# KiCad board OPS-K3572.kicad_pcb
title: OPS-K3572; date: 2025-03-12; rev: 1; company: Robotron; note: Revision 1, 12.03.2025, Stefan Berndt
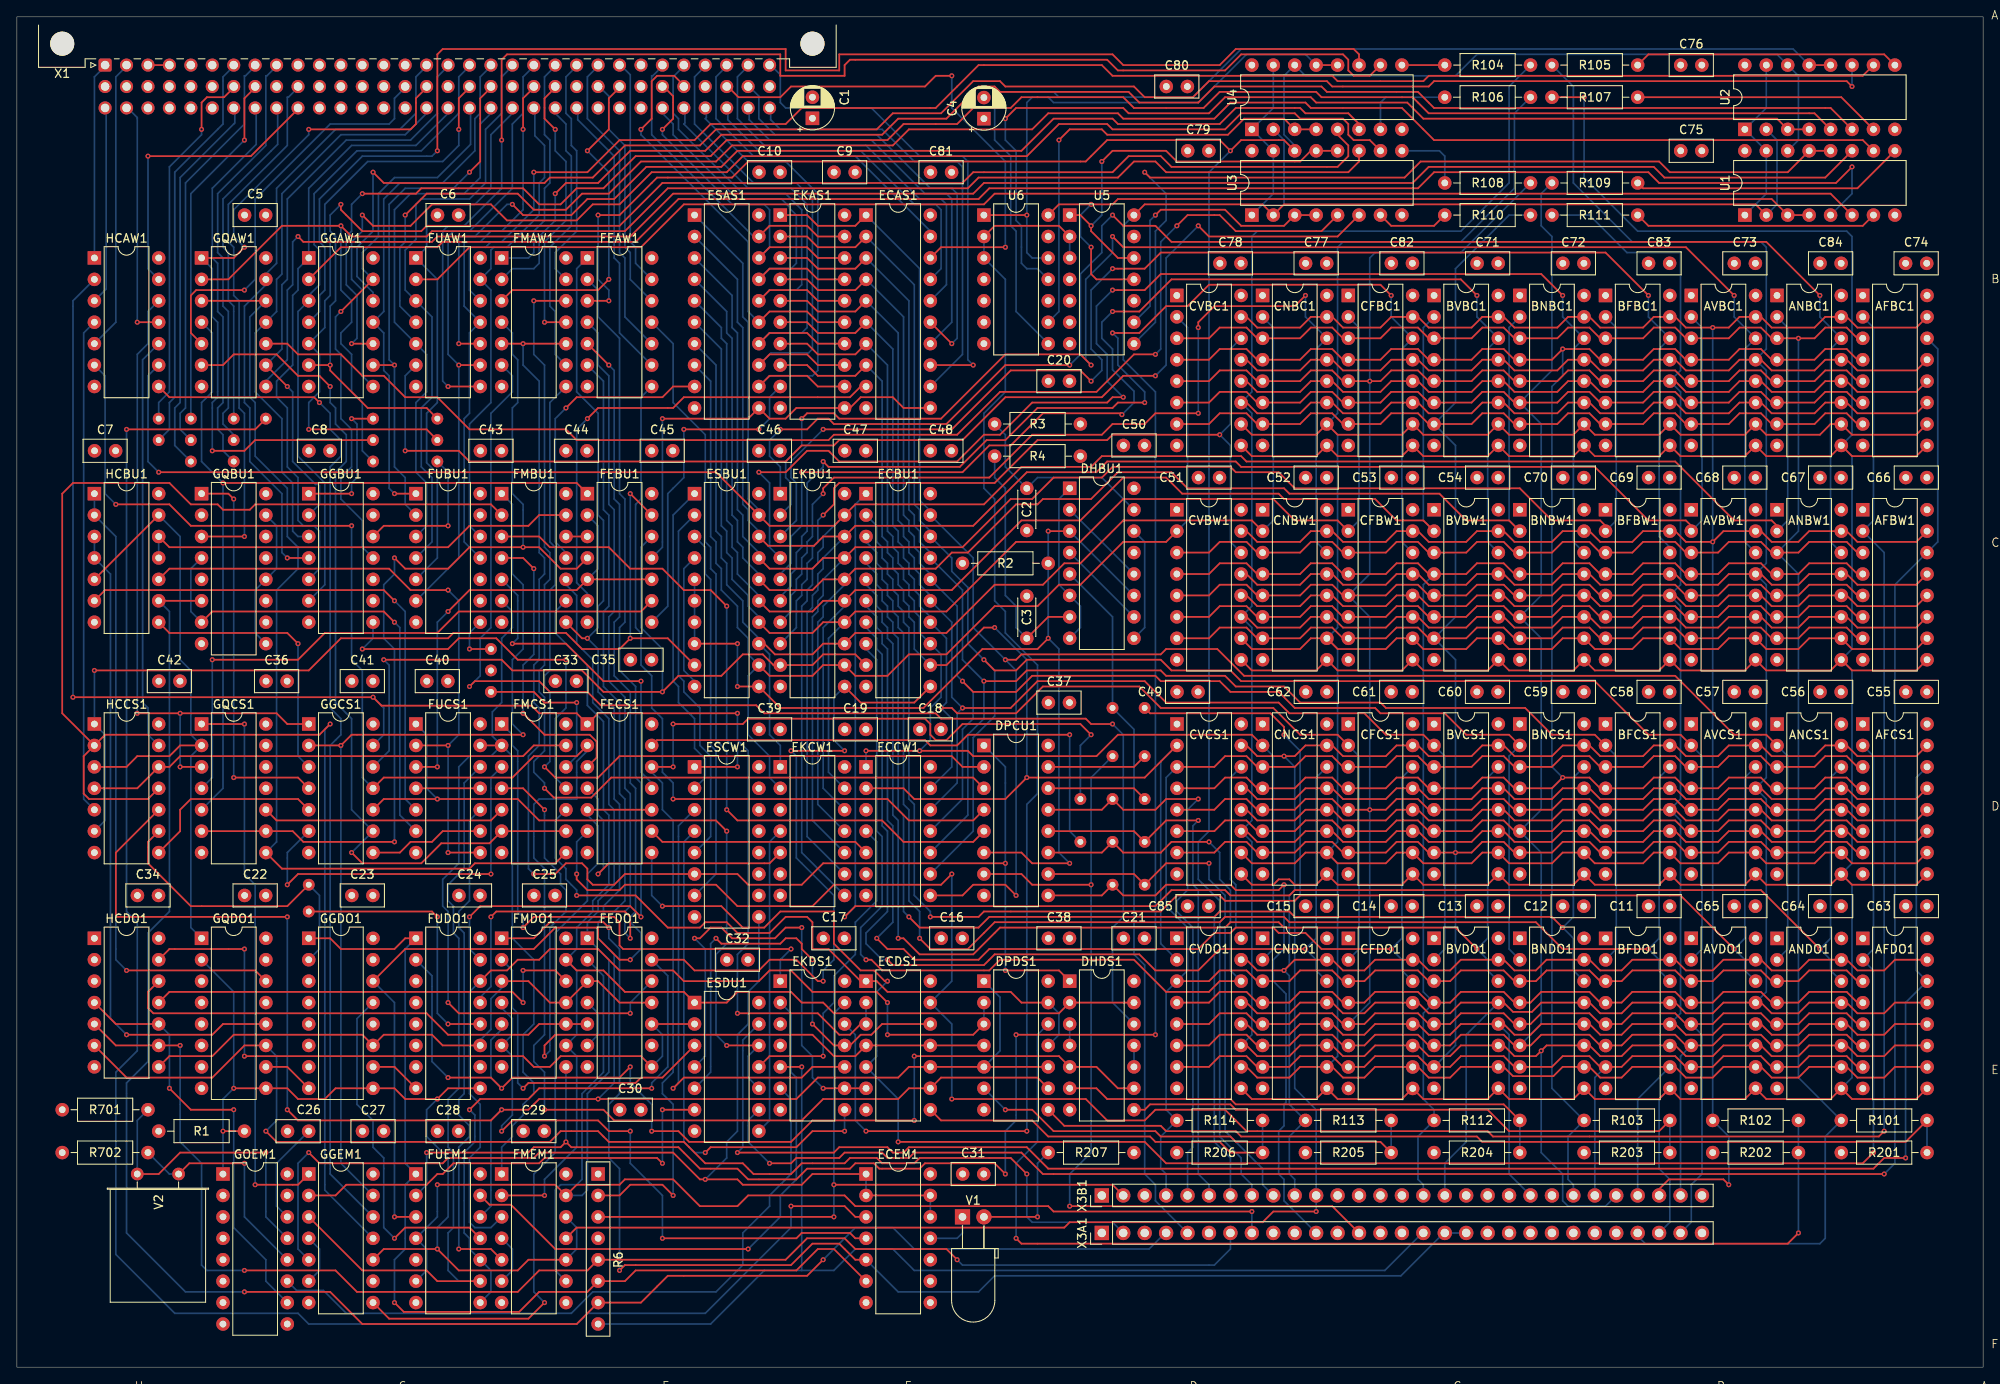
[diagram p0: board, top side]
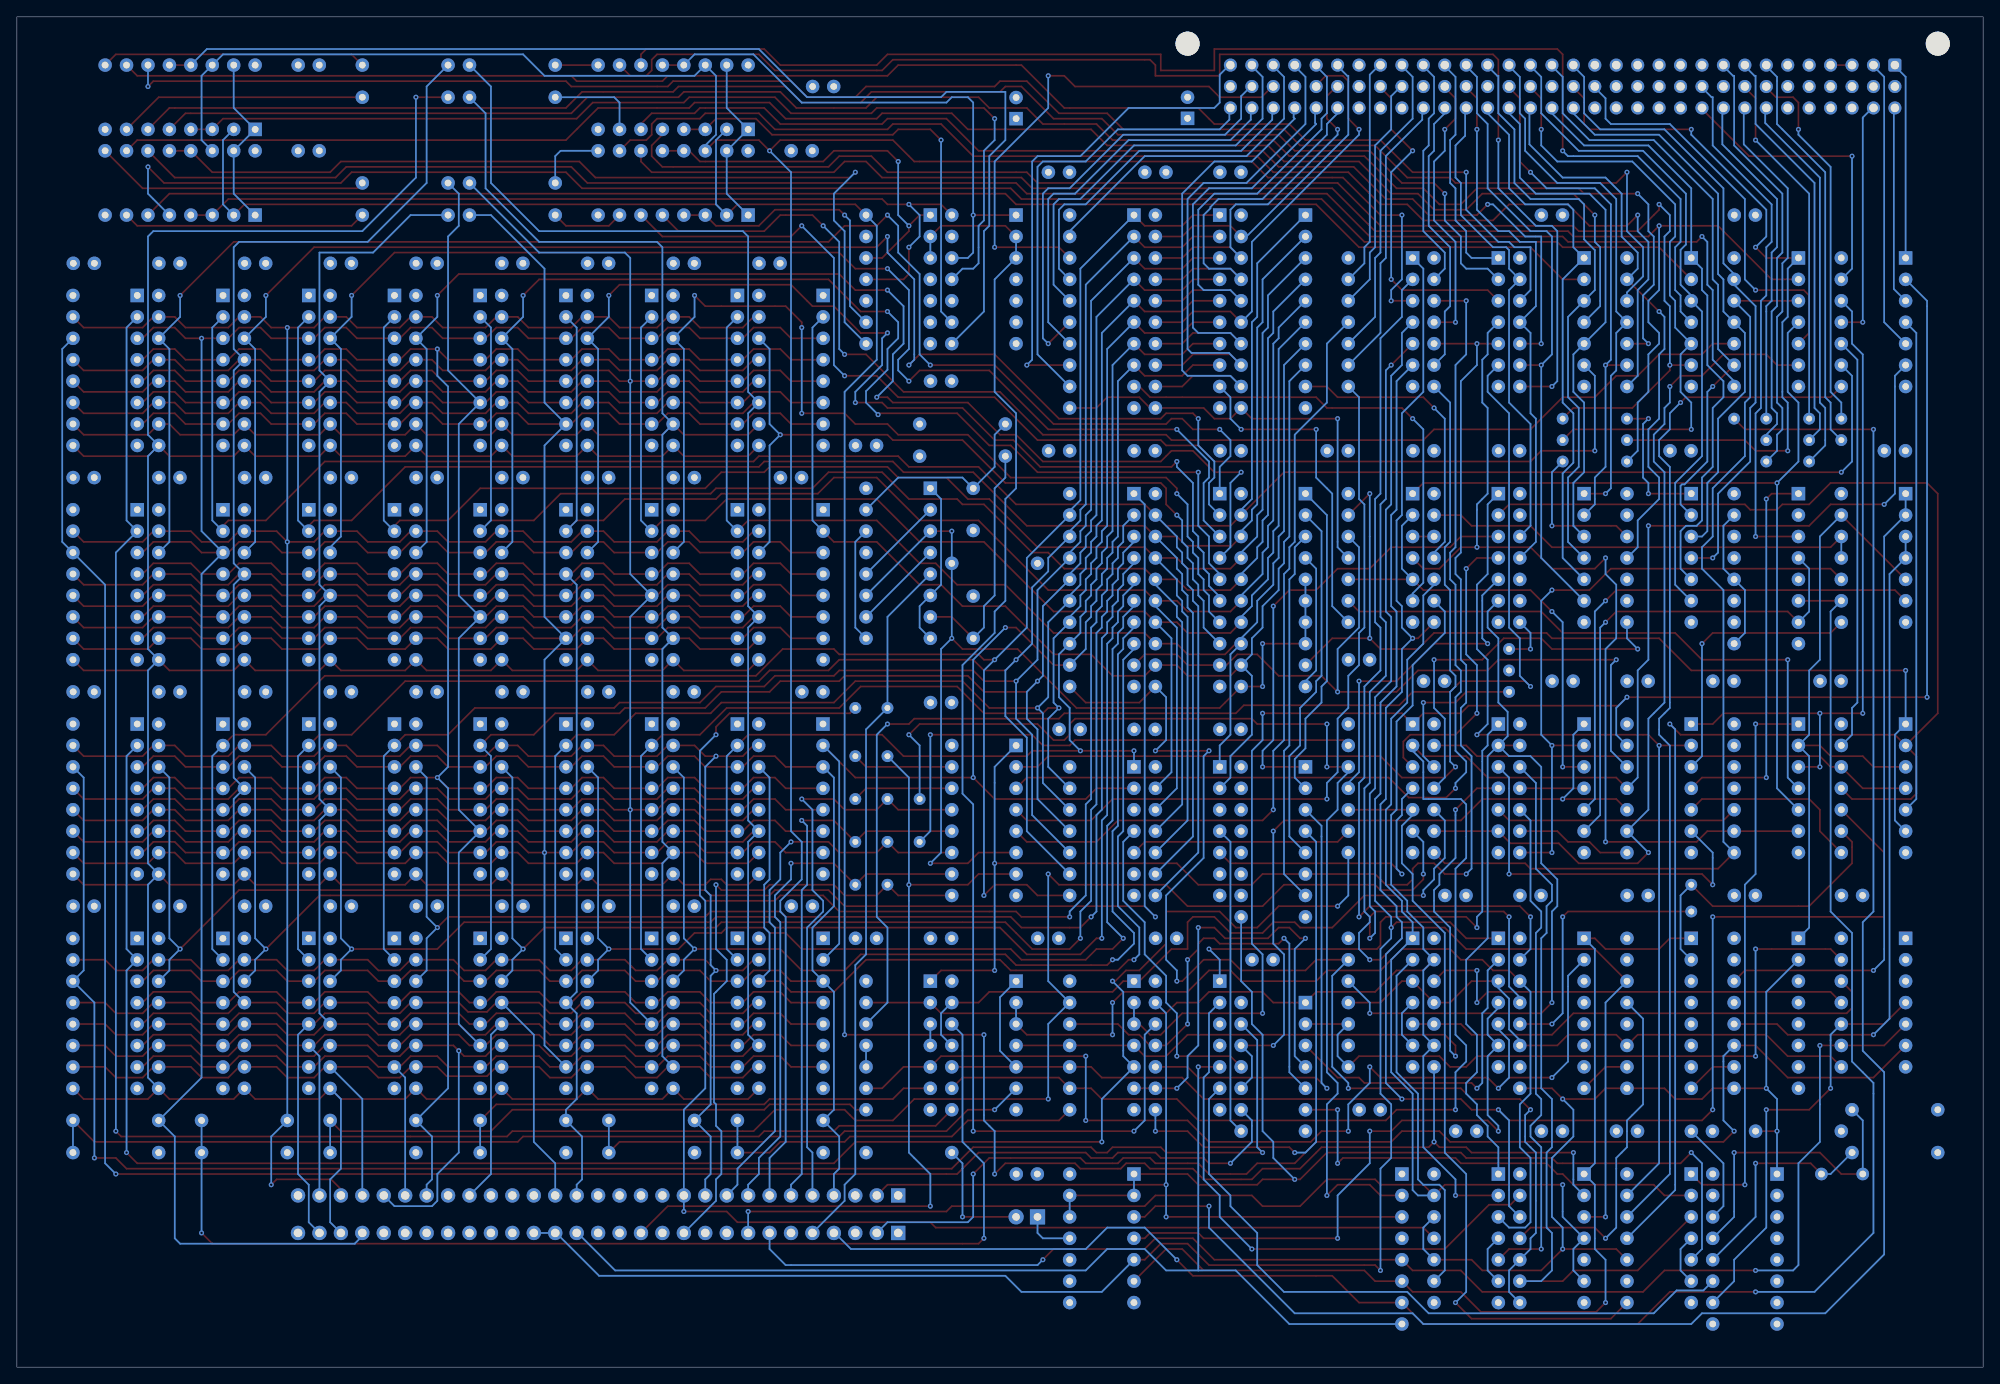
[diagram p1: board, bottom side, seen from below]

Outline 233 x 160.05 mm; copper layers: Top, In1.Cu, In2.Cu, Bottom. Coordinates in mm from the lower left corner of the outline.
Outline path: rectangle 0,160.05 233,0
Stack: Top 0.035mm / dielectric 0.1mm FR4 er 4.5 / In1.Cu 0.035mm / dielectric 1.24mm FR4 er 4.5 / In2.Cu 0.035mm / dielectric 0.1mm FR4 er 4.5 / Bottom 0.035mm

## Placement (name value [footprint] x y rotation side)
AFBC1  ~  [DIP-16_W7.62mm]  218.74 127.03 0 top
AFBW1  ~  [DIP-16_W7.62mm]  218.74 101.63 0 top
AFCS1  ~  [DIP-16_W7.62mm]  218.74 76.23 0 top
AFDO1  ~  [DIP-16_W7.62mm]  218.75 50.82 0 top
ANBC1  ~  [DIP-16_W7.62mm]  208.57 127.03 0 top
ANBW1  ~  [DIP-16_W7.62mm]  208.57 101.63 0 top
ANCS1  ~  [DIP-16_W7.62mm]  208.58 76.22 0 top
ANDO1  ~  [DIP-16_W7.62mm]  208.58 50.82 0 top
AVBC1  ~  [DIP-16_W7.62mm]  198.42 127.03 0 top
AVBW1  ~  [DIP-16_W7.62mm]  198.42 101.63 0 top
AVCS1  ~  [DIP-16_W7.62mm]  198.42 76.23 0 top
AVDO1  ~  [DIP-16_W7.62mm]  198.42 50.83 0 top
BFBC1  ~  [DIP-16_W7.62mm]  188.25 127.03 0 top
BFBW1  ~  [DIP-16_W7.62mm]  188.25 101.63 0 top
BFCS1  ~  [DIP-16_W7.62mm]  188.25 76.23 0 top
BFDO1  ~  [DIP-16_W7.62mm]  188.26 50.82 0 top
BNBC1  ~  [DIP-16_W7.62mm]  178.1 127.03 0 top
BNBW1  ~  [DIP-16_W7.62mm]  178.1 101.63 0 top
BNCS1  ~  [DIP-16_W7.62mm]  178.1 76.23 0 top
BNDO1  ~  [DIP-16_W7.62mm]  178.1 50.83 0 top
BVBC1  ~  [DIP-16_W7.62mm]  167.94 127.03 0 top
BVBW1  ~  [DIP-16_W7.62mm]  167.94 101.63 0 top
BVCS1  ~  [DIP-16_W7.62mm]  167.94 76.23 0 top
BVDO1  ~  [DIP-16_W7.62mm]  167.94 50.83 0 top
C1  C_Polarized  [CP_Radial_D5.0mm_P2.50mm]  94.28 148.03 90 top
C2  1n  [C_Disc_D4.3mm_W1.9mm_P5.00mm]  119.67 104.17 270 top
C3  47p  [C_Disc_D4.3mm_W1.9mm_P5.00mm]  119.67 86.39 90 top
C4  C_Polarized  [CP_Radial_D5.0mm_P2.50mm]  114.6 147.99 90 top
C5  100n  [C_Disc_D5.0mm_W2.5mm_P2.50mm]  26.98 136.56 0 top
C6  100n  [C_Disc_D5.0mm_W2.5mm_P2.50mm]  49.84 136.56 0 top
C7  100n  [C_Disc_D5.0mm_W2.5mm_P2.50mm]  9.2 108.62 0 top
C8  100n  [C_Disc_D5.0mm_W2.5mm_P2.50mm]  34.61 108.62 0 top
C9  100n  [C_Disc_D5.0mm_W2.5mm_P2.50mm]  96.83 141.64 0 top
C10  100n  [C_Disc_D5.0mm_W2.5mm_P2.50mm]  87.95 141.64 0 top
C11  100n  [C_Disc_D5.0mm_W2.5mm_P2.50mm]  193.36 54.64 0 top
C12  100n  [C_Disc_D5.0mm_W2.5mm_P2.50mm]  183.18 54.64 0 top
C13  100n  [C_Disc_D5.0mm_W2.5mm_P2.50mm]  173.01 54.64 0 top
C14  100n  [C_Disc_D5.0mm_W2.5mm_P2.50mm]  162.86 54.64 0 top
C15  100n  [C_Disc_D5.0mm_W2.5mm_P2.50mm]  152.71 54.64 0 top
C16  100n  [C_Disc_D5.0mm_W2.5mm_P2.50mm]  109.54 50.83 0 top
C17  100n  [C_Disc_D5.0mm_W2.5mm_P2.50mm]  95.56 50.83 0 top
C18  100n  [C_Disc_D5.0mm_W2.5mm_P2.50mm]  106.99 75.6 0 top
C19  100n  [C_Disc_D5.0mm_W2.5mm_P2.50mm]  98.11 75.6 0 top
C20  100n  [C_Disc_D5.0mm_W2.5mm_P2.50mm]  122.23 116.87 0 top
C21  100n  [C_Disc_D5.0mm_W2.5mm_P2.50mm]  131.12 50.83 0 top
C22  100n  [C_Disc_D5.0mm_W2.5mm_P2.50mm]  26.98 55.91 0 top
C23  100n  [C_Disc_D5.0mm_W2.5mm_P2.50mm]  39.69 55.91 0 top
C24  100n  [C_Disc_D5.0mm_W2.5mm_P2.50mm]  52.39 55.91 0 top
C25  100n  [C_Disc_D5.0mm_W2.5mm_P2.50mm]  61.28 55.91 0 top
C26  100n  [C_Disc_D5.0mm_W2.5mm_P2.50mm]  34.58 27.96 180 top
C27  100n  [C_Disc_D5.0mm_W2.5mm_P2.50mm]  40.95 27.97 0 top
C28  100n  [C_Disc_D5.0mm_W2.5mm_P2.50mm]  49.84 27.97 0 top
C29  100n  [C_Disc_D5.0mm_W2.5mm_P2.50mm]  60 27.97 0 top
C30  100n  [C_Disc_D5.0mm_W2.5mm_P2.50mm]  71.44 30.51 0 top
C31  100n  [C_Disc_D5.0mm_W2.5mm_P2.50mm]  112.08 22.89 0 top
C32  100n  [C_Disc_D5.0mm_W2.5mm_P2.50mm]  84.14 48.29 0 top
C33  100n  [C_Disc_D5.0mm_W2.5mm_P2.50mm]  63.81 81.31 0 top
C34  100n  [C_Disc_D5.0mm_W2.5mm_P2.50mm]  14.29 55.91 0 top
C35  100n  [C_Disc_D5.0mm_W2.5mm_P2.50mm]  72.7 83.85 0 top
C36  100n  [C_Disc_D5.0mm_W2.5mm_P2.50mm]  29.52 81.31 0 top
C37  100n  [C_Disc_D5.0mm_W2.5mm_P2.50mm]  122.23 78.77 0 top
C38  100n  [C_Disc_D5.0mm_W2.5mm_P2.50mm]  122.23 50.83 0 top
C39  100n  [C_Disc_D5.0mm_W2.5mm_P2.50mm]  87.95 75.6 0 top
C40  100n  [C_Disc_D5.0mm_W2.5mm_P2.50mm]  48.58 81.31 0 top
C41  100n  [C_Disc_D5.0mm_W2.5mm_P2.50mm]  39.69 81.31 0 top
C42  100n  [C_Disc_D5.0mm_W2.5mm_P2.50mm]  16.83 81.31 0 top
C43  100n  [C_Disc_D5.0mm_W2.5mm_P2.50mm]  54.92 108.62 0 top
C44  100n  [C_Disc_D5.0mm_W2.5mm_P2.50mm]  65.06 108.62 0 top
C45  100n  [C_Disc_D5.0mm_W2.5mm_P2.50mm]  75.23 108.62 0 top
C46  100n  [C_Disc_D5.0mm_W2.5mm_P2.50mm]  87.92 108.62 0 top
C47  100n  [C_Disc_D5.0mm_W2.5mm_P2.50mm]  98.11 108.62 0 top
C48  100n  [C_Disc_D5.0mm_W2.5mm_P2.50mm]  108.24 108.62 0 top
C49  100n  [C_Disc_D5.0mm_W2.5mm_P2.50mm]  137.48 80.04 0 top
C50  100n  [C_Disc_D5.0mm_W2.5mm_P2.50mm]  131.12 109.25 0 top
C51  100n  [C_Disc_D5.0mm_W2.5mm_P2.50mm]  140.01 105.44 0 top
C52  100n  [C_Disc_D5.0mm_W2.5mm_P2.50mm]  152.71 105.44 0 top
C53  100n  [C_Disc_D5.0mm_W2.5mm_P2.50mm]  162.88 105.44 0 top
C54  100n  [C_Disc_D5.0mm_W2.5mm_P2.50mm]  173.04 105.44 0 top
C55  100n  [C_Disc_D5.0mm_W2.5mm_P2.50mm]  223.83 80.04 0 top
C56  100n  [C_Disc_D5.0mm_W2.5mm_P2.50mm]  213.68 80.04 0 top
C57  100n  [C_Disc_D5.0mm_W2.5mm_P2.50mm]  203.51 80.04 0 top
C58  100n  [C_Disc_D5.0mm_W2.5mm_P2.50mm]  193.36 80.04 0 top
C59  100n  [C_Disc_D5.0mm_W2.5mm_P2.50mm]  183.19 80.04 0 top
C60  100n  [C_Disc_D5.0mm_W2.5mm_P2.50mm]  173.01 80.04 0 top
C61  100n  [C_Disc_D5.0mm_W2.5mm_P2.50mm]  162.86 80.04 0 top
C62  100n  [C_Disc_D5.0mm_W2.5mm_P2.50mm]  152.74 80.04 0 top
C63  100n  [C_Disc_D5.0mm_W2.5mm_P2.50mm]  223.83 54.64 0 top
C64  100n  [C_Disc_D5.0mm_W2.5mm_P2.50mm]  213.68 54.64 0 top
C65  100n  [C_Disc_D5.0mm_W2.5mm_P2.50mm]  203.51 54.64 0 top
C66  100n  [C_Disc_D5.0mm_W2.5mm_P2.50mm]  223.83 105.44 0 top
C67  100n  [C_Disc_D5.0mm_W2.5mm_P2.50mm]  213.68 105.44 0 top
C68  100n  [C_Disc_D5.0mm_W2.5mm_P2.50mm]  203.51 105.44 0 top
C69  100n  [C_Disc_D5.0mm_W2.5mm_P2.50mm]  193.36 105.44 0 top
C70  100n  [C_Disc_D5.0mm_W2.5mm_P2.50mm]  183.19 105.44 0 top
C71  100n  [C_Disc_D5.0mm_W2.5mm_P2.50mm]  173.04 130.84 0 top
C72  100n  [C_Disc_D5.0mm_W2.5mm_P2.50mm]  183.19 130.84 0 top
C73  100n  [C_Disc_D5.0mm_W2.5mm_P2.50mm]  203.51 130.84 0 top
C74  100n  [C_Disc_D5.0mm_W2.5mm_P2.50mm]  223.81 130.84 0 top
C75  100n  [C_Disc_D5.0mm_W2.5mm_P2.50mm]  197.17 144.18 0 top
C76  100n  [C_Disc_D5.0mm_W2.5mm_P2.50mm]  197.17 154.34 0 top
C77  100n  [C_Disc_D5.0mm_W2.5mm_P2.50mm]  152.71 130.84 0 top
C78  100n  [C_Disc_D5.0mm_W2.5mm_P2.50mm]  142.56 130.84 0 top
C79  100n  [C_Disc_D5.0mm_W2.5mm_P2.50mm]  138.75 144.18 0 top
C80  100n  [C_Disc_D5.0mm_W2.5mm_P2.50mm]  136.2 151.8 0 top
C81  100n  [C_Disc_D5.0mm_W2.5mm_P2.50mm]  108.27 141.64 0 top
C82  100n  [C_Disc_D5.0mm_W2.5mm_P2.50mm]  162.88 130.84 0 top
C83  100n  [C_Disc_D5.0mm_W2.5mm_P2.50mm]  193.36 130.84 0 top
C84  100n  [C_Disc_D5.0mm_W2.5mm_P2.50mm]  213.68 130.84 0 top
C85  100n  [C_Disc_D5.0mm_W2.5mm_P2.50mm]  138.73 54.64 0 top
CFBC1  ~  [DIP-16_W7.62mm]  157.77 127.03 0 top
CFBW1  ~  [DIP-16_W7.62mm]  157.77 101.63 0 top
CFCS1  ~  [DIP-16_W7.62mm]  157.77 76.23 0 top
CFDO1  ~  [DIP-16_W7.62mm]  157.79 50.82 0 top
CNBC1  ~  [DIP-16_W7.62mm]  147.62 127.03 0 top
CNBW1  ~  [DIP-16_W7.62mm]  147.62 101.63 0 top
CNCS1  ~  [DIP-16_W7.62mm]  147.62 76.23 0 top
CNDO1  ~  [DIP-16_W7.62mm]  147.62 50.83 0 top
CVBC1  ~  [DIP-16_W7.62mm]  137.45 127.03 0 top
CVBW1  ~  [DIP-16_W7.62mm]  137.45 101.63 0 top
CVCS1  ~  [DIP-16_W7.62mm]  137.48 76.23 0 top
CVDO1  ~  [DIP-16_W7.62mm]  137.45 50.83 0 top
DHBU1  74123  [DIP-16_W7.62mm]  124.76 104.17 0 top
DHDS1  7400  [DIP-14_W7.62mm]  124.76 45.75 0 top
DPCU1  ~  [DIP-16_W7.62mm]  114.6 73.69 0 top
DPDS1  7410  [DIP-14_W7.62mm]  114.6 45.75 0 top
ECAS1  ~  [DIP-20_W7.62mm]  100.63 136.56 0 top
ECBU1  ~  [DIP-20_W7.62mm]  100.63 103.54 0 top
ECCW1  ~  [DIP-14_W7.62mm]  100.63 71.15 0 top
ECDS1  7410  [DIP-14_W7.62mm]  100.63 45.75 0 top
ECEM1  7438  [DIP-14_W7.62mm]  100.63 22.89 0 top
EKAS1  ~  [DIP-20_W7.62mm]  90.47 136.56 0 top
EKBU1  ~  [DIP-20_W7.62mm]  90.47 103.54 0 top
EKCW1  ~  [DIP-14_W7.62mm]  90.47 71.15 0 top
EKDS1  7404  [DIP-14_W7.62mm]  90.47 45.75 0 top
ESAS1  ~  [DIP-20_W7.62mm]  80.31 136.56 0 top
ESBU1  ~  [DIP-20_W7.62mm]  80.31 103.54 0 top
ESCW1  ~  [DIP-16_W7.62mm]  80.31 71.15 0 top
ESDU1  7400  [DIP-14_W7.62mm]  80.31 43.21 0 top
FEAW1  7400  [DIP-14_W7.62mm]  67.61 131.48 0 top
FEBU1  7400  [DIP-14_W7.62mm]  67.61 103.54 0 top
FECS1  7486  [DIP-14_W7.62mm]  67.61 76.23 0 top
FEDO1  7474  [DIP-14_W7.62mm]  67.61 50.83 0 top
FMAW1  7404  [DIP-14_W7.62mm]  57.45 131.48 0 top
FMBU1  7408  [DIP-14_W7.62mm]  57.45 103.54 0 top
FMCS1  7402  [DIP-14_W7.62mm]  57.45 76.23 0 top
FMDO1  7474  [DIP-14_W7.62mm]  57.45 50.83 0 top
FMEM1  7474  [DIP-14_W7.62mm]  57.45 22.89 0 top
FUAW1  7404  [DIP-14_W7.62mm]  47.28 131.48 0 top
FUBU1  7430  [DIP-14_W7.62mm]  47.28 103.54 0 top
FUCS1  7400  [DIP-14_W7.62mm]  47.28 76.23 0 top
FUDO1  ~  [DIP-16_W7.62mm]  47.28 50.83 0 top
FUEM1  7474  [DIP-14_W7.62mm]  47.28 22.89 0 top
GGAW1  7404  [DIP-14_W7.62mm]  34.59 131.48 0 top
GGBU1  7430  [DIP-14_W7.62mm]  34.59 103.54 0 top
GGCS1  7404  [DIP-14_W7.62mm]  34.59 76.23 0 top
GGDO1  ~  [DIP-16_W7.62mm]  34.59 50.83 0 top
GGEM1  7474  [DIP-14_W7.62mm]  34.59 22.89 0 top
GOEM1  74124  [DIP-16_W7.62mm]  24.43 22.89 0 top
GQAW1  7404  [DIP-14_W7.62mm]  21.89 131.48 0 top
GQBU1  ~  [DIP-16_W7.62mm]  21.89 103.54 0 top
GQCS1  7402  [DIP-14_W7.62mm]  21.89 76.23 0 top
GQDO1  ~  [DIP-16_W7.62mm]  21.89 50.83 0 top
HCAW1  7404  [DIP-14_W7.62mm]  9.19 131.48 0 top
HCBU1  7410  [DIP-14_W7.62mm]  9.19 103.54 0 top
HCCS1  7400  [DIP-14_W7.62mm]  9.19 76.23 0 top
HCDO1  7400  [DIP-14_W7.62mm]  9.19 50.83 0 top
R1  1k3  [R_Axial_DIN0207_L6.3mm_D2.5mm_P10.16mm_Horizontal]  26.97 27.97 180 top
R2  1k3  [R_Axial_DIN0207_L6.3mm_D2.5mm_P10.16mm_Horizontal]  122.21 95.28 180 top
R3  15k  [R_Axial_DIN0207_L6.3mm_D2.5mm_P10.16mm_Horizontal]  126.02 111.79 180 top
R4  5k1  [R_Axial_DIN0207_L6.3mm_D2.5mm_P10.16mm_Horizontal]  126.02 107.98 180 top
R6  2k4  [R_Array_SIP8]  68.88 22.89 270 top
R101  20  [R_Axial_DIN0207_L6.3mm_D2.5mm_P10.16mm_Horizontal]  226.36 29.24 180 top
R102  20  [R_Axial_DIN0207_L6.3mm_D2.5mm_P10.16mm_Horizontal]  211.12 29.24 180 top
R103  20  [R_Axial_DIN0207_L6.3mm_D2.5mm_P10.16mm_Horizontal]  195.88 29.24 180 top
R104  20  [R_Axial_DIN0207_L6.3mm_D2.5mm_P10.16mm_Horizontal]  169.2 154.34 0 top
R105  20  [R_Axial_DIN0207_L6.3mm_D2.5mm_P10.16mm_Horizontal]  192.06 154.34 180 top
R106  20  [R_Axial_DIN0207_L6.3mm_D2.5mm_P10.16mm_Horizontal]  169.2 150.53 0 top
R107  20  [R_Axial_DIN0207_L6.3mm_D2.5mm_P10.16mm_Horizontal]  192.06 150.53 180 top
R108  20  [R_Axial_DIN0207_L6.3mm_D2.5mm_P10.16mm_Horizontal]  169.2 140.37 0 top
R109  20  [R_Axial_DIN0207_L6.3mm_D2.5mm_P10.16mm_Horizontal]  192.06 140.37 180 top
R110  20  [R_Axial_DIN0207_L6.3mm_D2.5mm_P10.16mm_Horizontal]  169.2 136.56 0 top
R111  20  [R_Axial_DIN0207_L6.3mm_D2.5mm_P10.16mm_Horizontal]  192.06 136.56 180 top
R112  20  [R_Axial_DIN0207_L6.3mm_D2.5mm_P10.16mm_Horizontal]  178.1 29.24 180 top
R113  20  [R_Axial_DIN0207_L6.3mm_D2.5mm_P10.16mm_Horizontal]  162.86 29.24 180 top
R114  20  [R_Axial_DIN0207_L6.3mm_D2.5mm_P10.16mm_Horizontal]  147.62 29.24 180 top
R201  316  [R_Axial_DIN0207_L6.3mm_D2.5mm_P10.16mm_Horizontal]  226.36 25.43 180 top
R202  316  [R_Axial_DIN0207_L6.3mm_D2.5mm_P10.16mm_Horizontal]  211.12 25.43 180 top
R203  316  [R_Axial_DIN0207_L6.3mm_D2.5mm_P10.16mm_Horizontal]  195.88 25.43 180 top
R204  316  [R_Axial_DIN0207_L6.3mm_D2.5mm_P10.16mm_Horizontal]  178.1 25.43 180 top
R205  316  [R_Axial_DIN0207_L6.3mm_D2.5mm_P10.16mm_Horizontal]  162.86 25.43 180 top
R206  316  [R_Axial_DIN0207_L6.3mm_D2.5mm_P10.16mm_Horizontal]  147.62 25.43 180 top
R207  316  [R_Axial_DIN0207_L6.3mm_D2.5mm_P10.16mm_Horizontal]  122.21 25.43 0 top
R701  1k  [R_Axial_DIN0207_L6.3mm_D2.5mm_P10.16mm_Horizontal]  5.38 30.51 0 top
R702  1k  [R_Axial_DIN0207_L6.3mm_D2.5mm_P10.16mm_Horizontal]  5.38 25.43 0 top
U1  ~  [DIP-16_W7.62mm]  204.76 136.56 90 top
U2  ~  [DIP-16_W7.62mm]  204.76 146.72 90 top
U3  ~  [DIP-16_W7.62mm]  146.35 136.56 90 top
U4  ~  [DIP-16_W7.62mm]  146.35 146.72 90 top
U5  ~  [DIP-14_W7.62mm]  124.76 136.56 0 top
U6  ~  [DIP-14_W7.62mm]  114.6 136.56 0 top
V1  LED  [LED_D5.0mm_Horizontal_O3.81mm_Z3.0mm]  112.05 17.81 0 top
V2  18900kHz  [Crystal_HC49-U_Horizontal]  14.27 22.89 0 top
X1  DIN41612_03x32_ABC  [DIN41612_C_3x32_Male_Horizontal_THT]  10.45 154.34 0 top
X3A1  ~  [PinHeader_1x29_P2.54mm_Vertical]  128.56 15.91 90 top
X3B1  ~  [PinHeader_1x29_P2.54mm_Vertical]  128.56 20.35 90 top
X7.1  ~  [Pin_D1.0mm_L10.0mm]  133.64 78.14 0 top
X7.2  ~  [Pin_D1.0mm_L10.0mm]  129.83 78.14 0 top
X8.1  ~  [Pin_D1.0mm_L10.0mm]  133.64 72.42 0 top
X8.2  ~  [Pin_D1.0mm_L10.0mm]  133.64 67.34 0 top
X8.3  ~  [Pin_D1.0mm_L10.0mm]  129.83 67.34 0 top
X8.4  ~  [Pin_D1.0mm_L10.0mm]  133.64 62.26 0 top
X8.5  ~  [Pin_D1.0mm_L10.0mm]  129.83 62.26 0 top
X8.6  ~  [Pin_D1.0mm_L10.0mm]  133.64 57.18 0 top
X8.7  ~  [Pin_D1.0mm_L10.0mm]  129.83 57.18 0 top
X8.8  ~  [Pin_D1.0mm_L10.0mm]  129.83 72.42 0 top
X8.9  ~  [Pin_D1.0mm_L10.0mm]  126.02 67.34 0 top
X8.10  ~  [Pin_D1.0mm_L10.0mm]  126.02 62.26 0 top
X9.1  ~  [Pin_D1.0mm_L10.0mm]  56.17 85.12 0 top
X9.2  ~  [Pin_D1.0mm_L10.0mm]  56.17 80.04 0 top
X9.3  ~  [Pin_D1.0mm_L10.0mm]  56.17 82.58 0 top
X10.1  ~  [Pin_D1.0mm_L10.0mm]  49.83 112.43 0 top
X10.2  ~  [Pin_D1.0mm_L10.0mm]  49.83 107.35 0 top
X10.3  ~  [Pin_D1.0mm_L10.0mm]  49.83 109.89 0 top
X11.1  ~  [Pin_D1.0mm_L10.0mm]  42.2 107.35 0 top
X11.2  ~  [Pin_D1.0mm_L10.0mm]  42.2 112.43 0 top
X11.3  ~  [Pin_D1.0mm_L10.0mm]  42.2 109.89 0 top
X12.1  ~  [Pin_D1.0mm_L10.0mm]  34.59 57.18 0 top
X12.2  ~  [Pin_D1.0mm_L10.0mm]  34.59 54.01 0 top
X13.1  ~  [Pin_D1.0mm_L10.0mm]  29.51 112.43 0 top
X13.2  ~  [Pin_D1.0mm_L10.0mm]  25.7 112.43 0 top
X13.3  ~  [Pin_D1.0mm_L10.0mm]  25.7 109.89 0 top
X13.4  ~  [Pin_D1.0mm_L10.0mm]  25.7 107.35 0 top
X13.5  ~  [Pin_D1.0mm_L10.0mm]  20.62 112.43 0 top
X13.6  ~  [Pin_D1.0mm_L10.0mm]  20.62 109.89 0 top
X13.7  ~  [Pin_D1.0mm_L10.0mm]  20.62 107.35 0 top
X13.8  ~  [Pin_D1.0mm_L10.0mm]  16.8 112.43 0 top
X13.9  ~  [Pin_D1.0mm_L10.0mm]  16.8 109.89 0 top

## Library data of the parts
C1 C4 = -: Description: Polarized capacitor; ki_fp_filters: CP_*
C2 C3 C5-C85 = -: Description: Unpolarized capacitor; ki_fp_filters: C_*
R1-R4 R101-R114 R201-R207 R701 R702 = -: Description: Resistor; ki_fp_filters: R_*
R6 = -: Datasheet: http://www.vishay.com/docs/31509/csc.pdf; Description: 7 resistor network, star topology, bussed resistors, split; ki_fp_filters: R?Array?SIP*
V1 = -: Description: Light emitting diode; ki_fp_filters: LED* LED_SMD:* LED_THT:*
V2 = -: Description: Two pin crystal; ki_fp_filters: Crystal*
X1 = -: Description: DIN41612 connector, double row (AB), 02x32, script generated (kicad-library-utils/schlib/autogen/connector/); ki_fp_filters: DIN41612*2x*
X3A1 X3B1 = -: Description: Generic connector, single row, 01x29, script generated; ki_fp_filters: Connector*:*_1x??_*
X7.1 X7.2 X8.1-X8.10 X9.1-X9.3 X10.1-X10.3 X11.1-X11.3 X12.1 X12.2 X13.1-X13.9 = -: Description: Generic connector, single row, 01x01, script generated (kicad-library-utils/schlib/autogen/connector/); ki_fp_filters: Connector*:*_1x??_*

## Footprints (pads in the part's own frame, mm; a bottom-side part is the same pattern mirrored in y, then rotated)
C_Disc_D4.3mm_W1.9mm_P5.00mm
  round 1.6 hole 0.8: 1(0,0) 2(5,0)
C_Disc_D5.0mm_W2.5mm_P2.50mm
  round 1.6 hole 0.8: 1(0,0) 2(2.5,0)
CP_Radial_D5.0mm_P2.50mm
  rect 1.6x1.6 hole 0.8: 1(0,0)
  round 1.6 hole 0.8: 2(2.5,0)
Crystal_HC49-U_Horizontal
  round 1.5 hole 0.8: 1(0,0) 2(4.9,0)
DIN41612_C_3x32_Male_Horizontal_THT
  round 2.85 hole 2.85 unplated: (-5.08,2.54) (83.82,2.54)
  rrect 1.55x1.55 hole 1: a1(0,0)
  round 1.55 hole 1: a2(2.54,0) a3(5.08,0) a4(7.62,0) a5(10.16,0) a6(12.7,0) a7(15.24,0) a8(17.78,0) a9(20.32,0) a10(22.86,0) a11(25.4,0) a12(27.94,0) a13(30.48,0) a14(33.02,0) a15(35.56,0) a16(38.1,0) a17(40.64,0) a18(43.18,0) a19(45.72,0) a20(48.26,0) a21(50.8,0) a22(53.34,0) a23(55.88,0) a24(58.42,0) a25(60.96,0) a26(63.5,0) a27(66.04,0) a28(68.58,0) a29(71.12,0) a30(73.66,0) a31(76.2,0) a32(78.74,0) b1(0,-2.54) b2(2.54,-2.54) b3(5.08,-2.54) b4(7.62,-2.54) b5(10.16,-2.54) b6(12.7,-2.54) b7(15.24,-2.54) b8(17.78,-2.54) b9(20.32,-2.54) b10(22.86,-2.54) b11(25.4,-2.54) b12(27.94,-2.54) b13(30.48,-2.54) b14(33.02,-2.54) b15(35.56,-2.54) b16(38.1,-2.54) b17(40.64,-2.54) b18(43.18,-2.54) b19(45.72,-2.54) b20(48.26,-2.54) b21(50.8,-2.54) b22(53.34,-2.54) b23(55.88,-2.54) b24(58.42,-2.54) b25(60.96,-2.54) b26(63.5,-2.54) b27(66.04,-2.54) b28(68.58,-2.54) b29(71.12,-2.54) b30(73.66,-2.54) b31(76.2,-2.54) b32(78.74,-2.54) c1(0,-5.08) c2(2.54,-5.08) c3(5.08,-5.08) c4(7.62,-5.08) c5(10.16,-5.08) c6(12.7,-5.08) c7(15.24,-5.08) c8(17.78,-5.08) c9(20.32,-5.08) c10(22.86,-5.08) c11(25.4,-5.08) c12(27.94,-5.08) c13(30.48,-5.08) c14(33.02,-5.08) c15(35.56,-5.08) c16(38.1,-5.08) c17(40.64,-5.08) c18(43.18,-5.08) c19(45.72,-5.08) c20(48.26,-5.08) c21(50.8,-5.08) c22(53.34,-5.08) c23(55.88,-5.08) c24(58.42,-5.08) c25(60.96,-5.08) c26(63.5,-5.08) c27(66.04,-5.08) c28(68.58,-5.08) c29(71.12,-5.08) c30(73.66,-5.08) c31(76.2,-5.08) c32(78.74,-5.08)
DIP-14_W7.62mm
  rect 1.6x1.6 hole 0.8: 1(0,0)
  oval 1.6x1.6 hole 0.8: 2(0,-2.54) 3(0,-5.08) 4(0,-7.62) 5(0,-10.16) 6(0,-12.7) 7(0,-15.24) 8(7.62,-15.24) 9(7.62,-12.7) 10(7.62,-10.16) 11(7.62,-7.62) 12(7.62,-5.08) 13(7.62,-2.54) 14(7.62,0)
DIP-16_W7.62mm
  rect 1.6x1.6 hole 0.8: 1(0,0)
  oval 1.6x1.6 hole 0.8: 2(0,-2.54) 3(0,-5.08) 4(0,-7.62) 5(0,-10.16) 6(0,-12.7) 7(0,-15.24) 8(0,-17.78) 9(7.62,-17.78) 10(7.62,-15.24) 11(7.62,-12.7) 12(7.62,-10.16) 13(7.62,-7.62) 14(7.62,-5.08) 15(7.62,-2.54) 16(7.62,0)
DIP-20_W7.62mm
  rect 1.6x1.6 hole 0.8: 1(0,0)
  oval 1.6x1.6 hole 0.8: 2(0,-2.54) 3(0,-5.08) 4(0,-7.62) 5(0,-10.16) 6(0,-12.7) 7(0,-15.24) 8(0,-17.78) 9(0,-20.32) 10(0,-22.86) 11(7.62,-22.86) 12(7.62,-20.32) 13(7.62,-17.78) 14(7.62,-15.24) 15(7.62,-12.7) 16(7.62,-10.16) 17(7.62,-7.62) 18(7.62,-5.08) 19(7.62,-2.54) 20(7.62,0)
LED_D5.0mm_Horizontal_O3.81mm_Z3.0mm
  rect 1.8x1.8 hole 0.9: 1(0,0)
  round 1.8 hole 0.9: 2(2.54,0)
Pin_D1.0mm_L10.0mm
  round 1.4 hole 0.7: 1(0,0)
PinHeader_1x29_P2.54mm_Vertical
  rect 1.7x1.7 hole 1: 1(0,0)
  oval 1.7x1.7 hole 1: 2(0,-2.54) 3(0,-5.08) 4(0,-7.62) 5(0,-10.16) 6(0,-12.7) 7(0,-15.24) 8(0,-17.78) 9(0,-20.32) 10(0,-22.86) 11(0,-25.4) 12(0,-27.94) 13(0,-30.48) 14(0,-33.02) 15(0,-35.56) 16(0,-38.1) 17(0,-40.64) 18(0,-43.18) 19(0,-45.72) 20(0,-48.26) 21(0,-50.8) 22(0,-53.34) 23(0,-55.88) 24(0,-58.42) 25(0,-60.96) 26(0,-63.5) 27(0,-66.04) 28(0,-68.58) 29(0,-71.12)
R_Array_SIP8
  rect 1.6x1.6 hole 0.8: 1(0,0)
  oval 1.6x1.6 hole 0.8: 2(2.54,0) 3(5.08,0) 4(7.62,0) 5(10.16,0) 6(12.7,0) 7(15.24,0) 8(17.78,0)
R_Axial_DIN0207_L6.3mm_D2.5mm_P10.16mm_Horizontal
  round 1.6 hole 0.8: 1(0,0)
  oval 1.6x1.6 hole 0.8: 2(10.16,0)
